# Altium PCB Thunderscope-E.PCBDOC (part 2 of 4)
Units mm, origin at the board's own origin, x right, y up, seen from the top; angles counter-clockwise.
Board outline 90.45 x 105.75 mm, 4 copper layers (L1, L2, L3, L4), stack 1.641 mm thick; 474 components, 268 nets, 1559 pads, 783 vias.
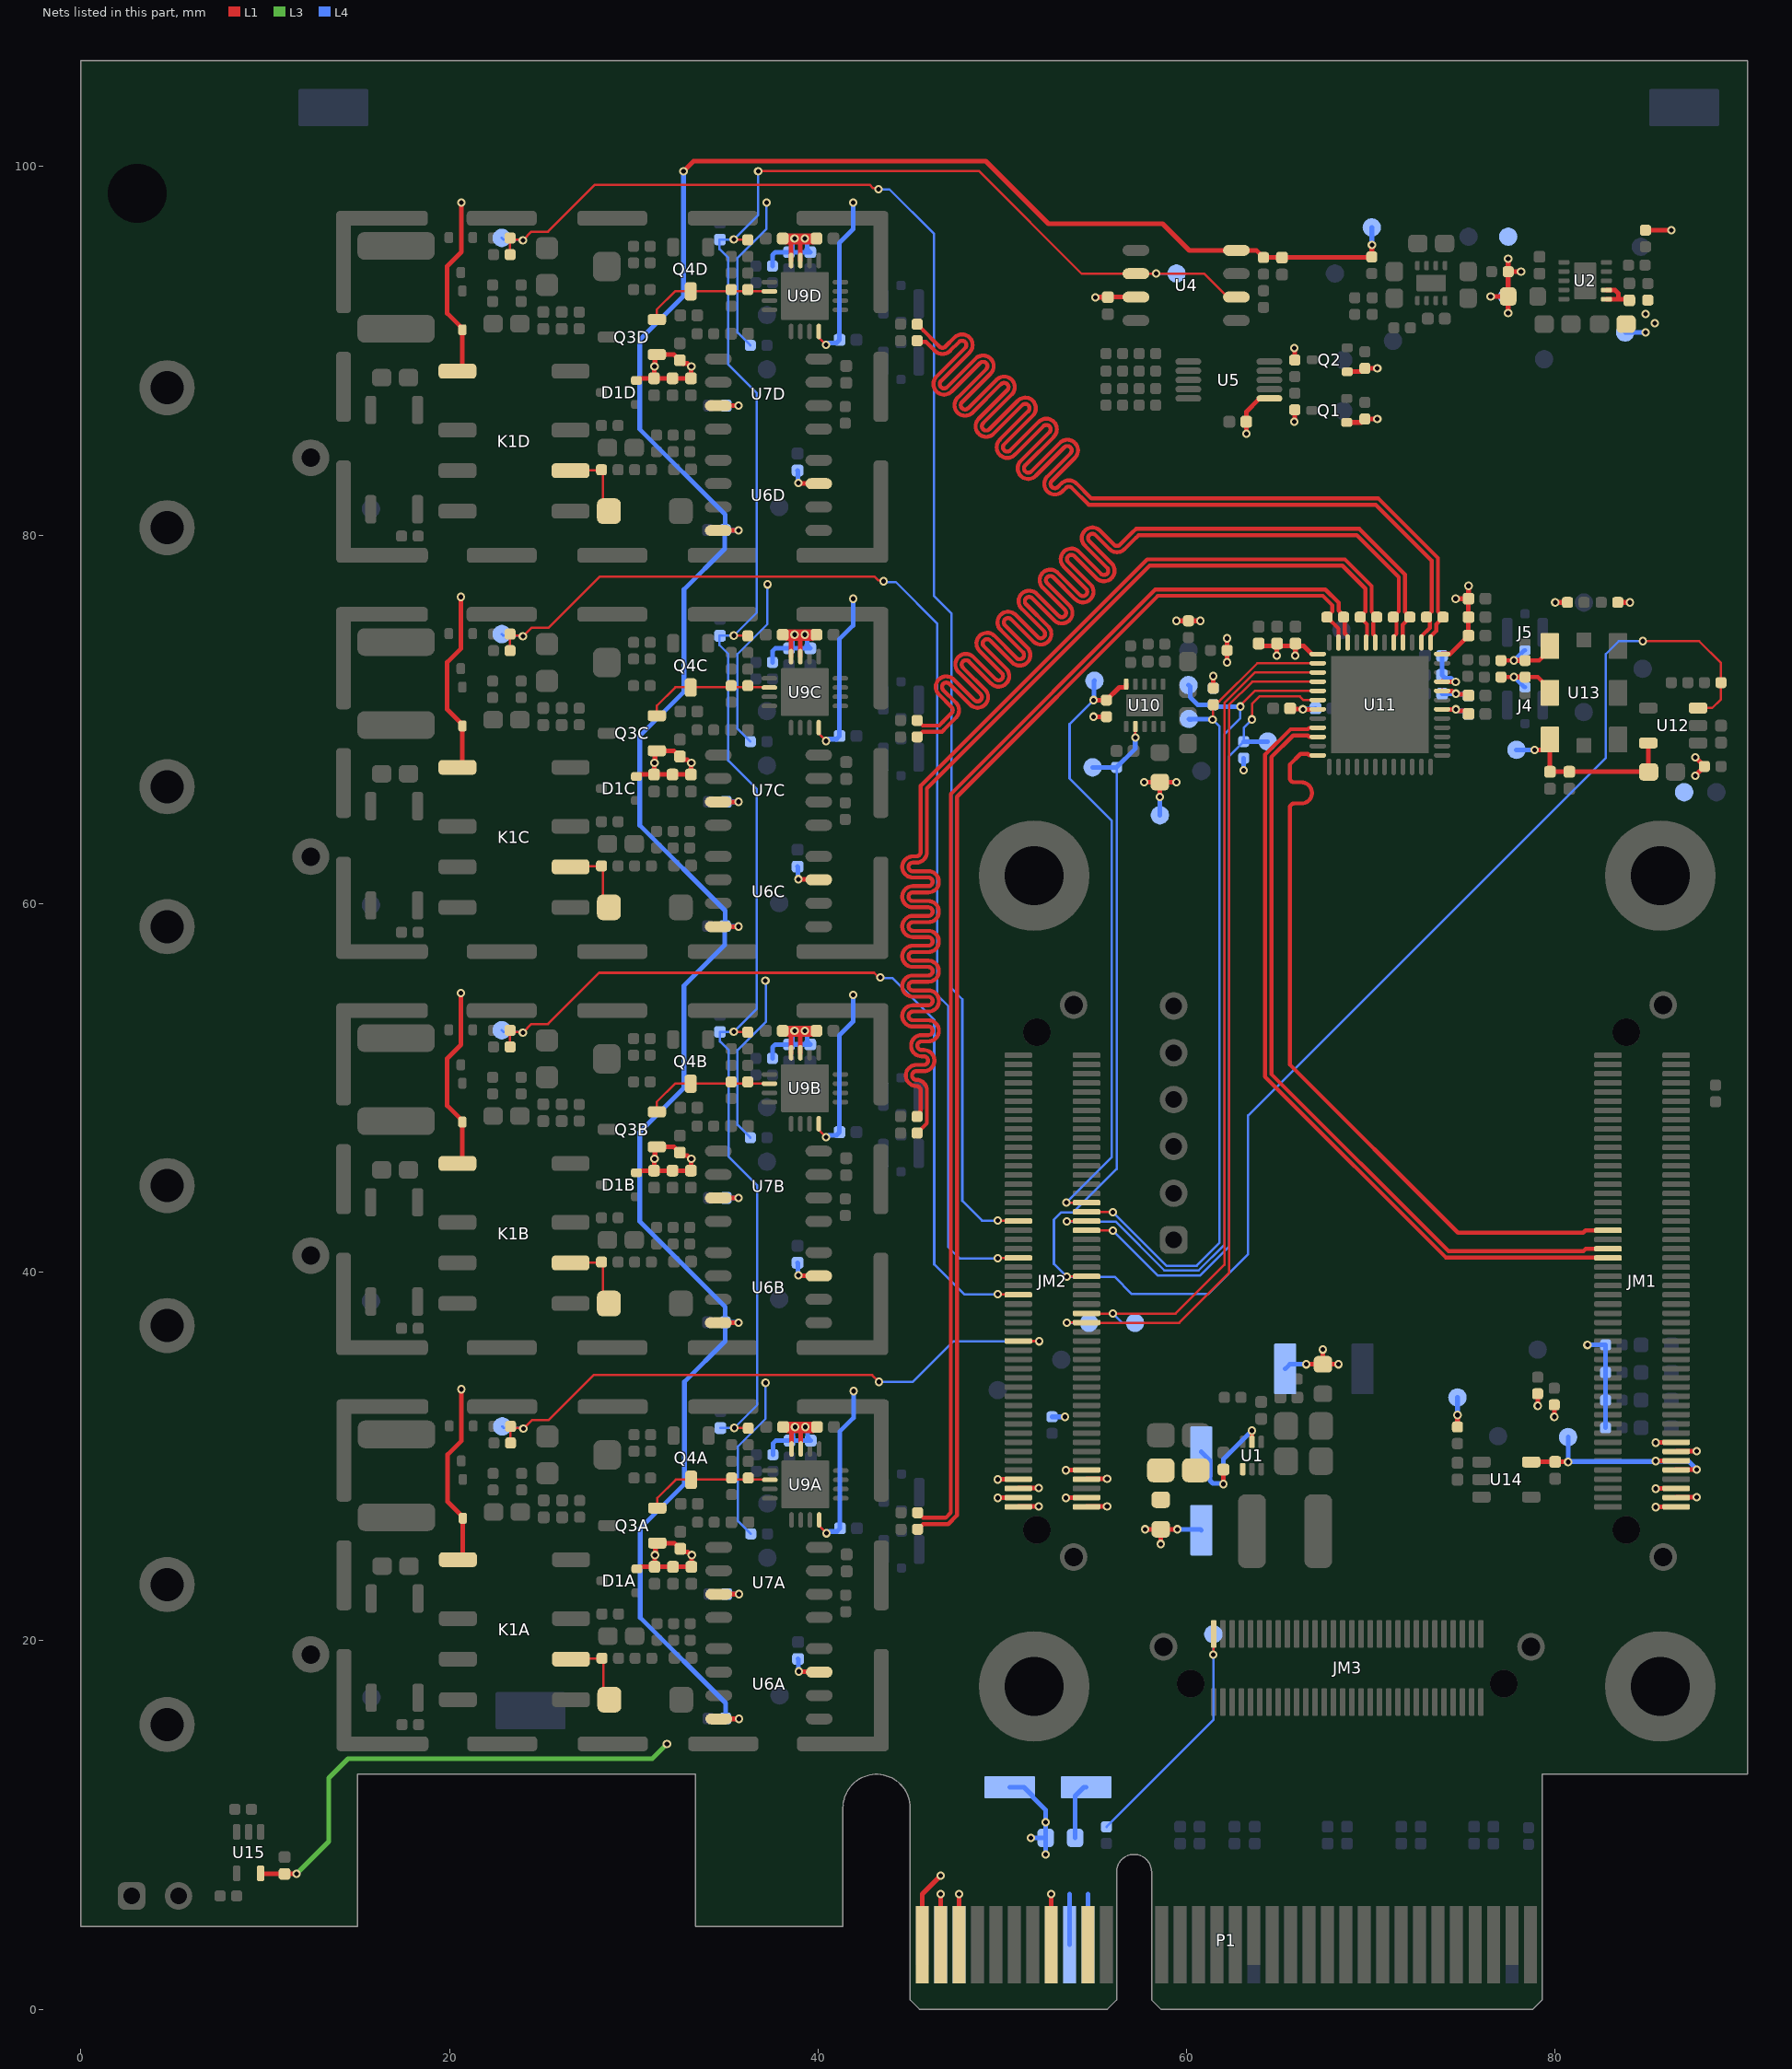
[diagram p4: the nets of this part, all layers, seen from the top]

## Footprints (in the part's own frame and the unit in brackets; to place one, negate y for a bottom-side part, rotate by r counter-clockwise, add the part's x,y. Pads: shape width x height; smd on the part's side, far side on the other; paste and mask are expansions set on the pad) (continued)
SAM_LSHM-150-XX.X-XX-DV-A-S [mm]
  rrect50% 0.3x1.5 smd: 1(12.25,-1.85) 2(12.25,1.85) 3(11.75,-1.85) 4(11.75,1.85) 5(11.25,-1.85) 6(11.25,1.85) 7(10.75,-1.85) 8(10.75,1.85) 9(10.25,-1.85) 10(10.25,1.85) 11(9.75,-1.85) 12(9.75,1.85) 13(9.25,-1.85) 14(9.25,1.85) 15(8.75,-1.85) 16(8.75,1.85) 17(8.25,-1.85) 18(8.25,1.85) 19(7.75,-1.85) 20(7.75,1.85) 21(7.25,-1.85) 22(7.25,1.85) 23(6.75,-1.85) 24(6.75,1.85) 25(6.25,-1.85) 26(6.25,1.85) 27(5.75,-1.85) 28(5.75,1.85) 29(5.25,-1.85) 30(5.25,1.85) 31(4.75,-1.85) 32(4.75,1.85) 33(4.25,-1.85) 34(4.25,1.85) 35(3.75,-1.85) 36(3.75,1.85) 37(3.25,-1.85) 38(3.25,1.85) 39(2.75,-1.85) 40(2.75,1.85) 41(2.25,-1.85) 42(2.25,1.85) 43(1.75,-1.85) 44(1.75,1.85) 45(1.25,-1.85) 46(1.25,1.85) 47(0.75,-1.85) 48(0.75,1.85) 49(0.25,-1.85) 50(0.25,1.85) 51(-0.25,-1.85) 52(-0.25,1.85) 53(-0.75,-1.85) 54(-0.75,1.85) 55(-1.25,-1.85) 56(-1.25,1.85) 57(-1.75,-1.85) 58(-1.75,1.85) 59(-2.25,-1.85) 60(-2.25,1.85) 61(-2.75,-1.85) 62(-2.75,1.85) 63(-3.25,-1.85) 64(-3.25,1.85) 65(-3.75,-1.85) 66(-3.75,1.85) 67(-4.25,-1.85) 68(-4.25,1.85) 69(-4.75,-1.85) 70(-4.75,1.85) 71(-5.25,-1.85) 72(-5.25,1.85) 73(-5.75,-1.85) 74(-5.75,1.85) 75(-6.25,-1.85) 76(-6.25,1.85) 77(-6.75,-1.85) 78(-6.75,1.85) 79(-7.25,-1.85) 80(-7.25,1.85) 81(-7.75,-1.85) 82(-7.75,1.85) 83(-8.25,-1.85) 84(-8.25,1.85) 85(-8.75,-1.85) 86(-8.75,1.85) 87(-9.25,-1.85) 88(-9.25,1.85) 89(-9.75,-1.85) 90(-9.75,1.85) 91(-10.25,-1.85) 92(-10.25,1.85) 93(-10.75,-1.85) 94(-10.75,1.85) 95(-11.25,-1.85) 96(-11.25,1.85) 97(-11.75,-1.85) 98(-11.75,1.85) 99(-12.25,-1.85) 100(-12.25,1.85)
  round 1.5 hole 1: 101(14.975,1.15) 102(-14.975,1.15)
  round 1.5 hole 1.5 unplated: ""(-13.5,-0.85) ""(13.5,-0.85)
  silkscreen extent -16.12,-3 16.12,3, body extent -15.4,-2.49 15.4,2.64, height 5.6
TE_2118728-2 [mm]
  rrect50% 0.8x5.55 smd: 1(-14.581,6.772) 1(-14.579,-6.772) 1(14.579,6.772) 1(14.581,-6.772)
  rrect50% 0.8x3.8 smd: 1(-14.579,0.003) 1(14.581,0.003)
  rrect50% 4.98x0.8 smd: 1(-12.491,9.147) 1(-12.489,-9.147) 1(12.489,9.147) 1(12.491,-9.147)
  rrect50% 3.8x0.8 smd: 1(-6.001,9.147) 1(-5.999,-9.147) 1(-0.001,9.147) 1(0.001,-9.147) 1(5.999,9.147) 1(6.001,-9.147)
  body extent -14.68,-9.25 14.68,9.25, height 7
TE_2334884-1 [mm]
  rrect50% 0.6x0.55 smd: 1(0,-0.975)
  rrect50% 0.58x1.58 smd: 2(-0.96,0) 2(0.96,0)
  rrect50% 0.5x0.5 smd: 2(0,1)
  silkscreen extent -1.05,-1.25 1,1, body extent -1,-1 1,1, height 0.6
TI_QFM8_SIA0008B [mm]
  rrect10% 1x1.4 smd paste-1.4: 1(-1.85,2.54) 2(-1.85,0) 3(-1.85,-2.54) 4(1.85,-2.54) 5(1.85,0) 6(1.85,2.54)
  rrect10% 0.8x0.8 smd: 7(0,2.865) 8(0,-2.865)
  silkscreen extent -3.1,-3.5 2.5,3.6, body extent -2.5,-3.5 2.5,3.5, height 1.15
TI_SOIC8_D0008A [mm] "SOIC, 8-Leads, Body 4.91x3.90mm, Pitch 1.27mm, Height 1.75mm, IPC Medium Density"
  oval 1.45x0.6 smd: 1(-2.725,1.905) 2(-2.725,0.635) 3(-2.725,-0.635) 4(-2.725,-1.905) 5(2.725,-1.905) 6(2.725,-0.635) 7(2.725,0.635) 8(2.725,1.905)
  silkscreen extent -2.85,-2.5 1.6,2.88, body extent -3,-2.5 3,2.5, height 1.75
TI_SOT563_DRL0006A [mm] "SOTFL, 6-Leads, Body 1.60x1.60mm, Pitch 0.50mm, IPC Medium Density"
  rrect50% 0.67x0.3 smd: 1(-0.74,0.5) 2(-0.74,0) 3(-0.74,-0.5) 4(0.74,-0.5) 5(0.74,0) 6(0.74,0.5)
  silkscreen extent -0.82,-0.85 0.65,1.2, body extent -0.8,-0.85 0.8,0.85, height 0.6
TI_WQFN_RGH0016A [mm] "QFN, 16-Leads, Body 4.00x4.00mm, Pitch 0.50mm, Thermal Pad 2.60x2.60mm, IPC Medium Density"
  oval 0.85x0.25 smd: 1(-1.925,0.75) 2(-1.925,0.25) 3(-1.925,-0.25) 4(-1.925,-0.75) 9(1.925,-0.75) 10(1.925,-0.25) 11(1.925,0.25) 12(1.925,0.75)
  oval 0.25x0.85 smd: 5(-0.75,-1.925) 6(-0.25,-1.925) 7(0.25,-1.925) 8(0.75,-1.925) 13(0.75,1.925) 14(0.25,1.925) 15(-0.25,1.925) 16(-0.75,1.925)
  rrect5% 2.6x2.6 smd paste-1.3: 17(0,0)
  silkscreen extent -2.97,-2.2 2.2,2.2, body extent -2.05,-2.05 2.05,2.05, height 0.8
TI_WSON8_DSG0008A [mm] "SON, 8-Leads, Body 2.00x2.00mm, Pitch 0.50mm, Thermal Pad 1.60x0.69mm, IPC Medium Density"
  rrect50% 0.5x0.25 smd: 1(-0.95,0.75) 2(-0.95,0.25) 3(-0.95,-0.25) 4(-0.95,-0.75) 5(0.95,-0.75) 6(0.95,-0.25) 7(0.95,0.25) 8(0.95,0.75)
  rrect10% 0.9x1.6 smd paste-0.9: 9(0,0)
  silkscreen extent -1.35,-1.2 1.05,1.25, body extent -1.05,-1.05 1.05,1.05, height 0.8
TI_WSON10_DSK0010A [mm] "SON, 10-Leads, Body 2.50x2.50mm, Pitch 0.50mm, Thermal Pad 2.00x1.09mm, IPC Medium Density"
  rrect50% 0.6x0.25 smd: 1(-1.15,1) 2(-1.15,0.5) 3(-1.15,0) 4(-1.15,-0.5) 5(-1.15,-1) 6(1.15,-1) 7(1.15,-0.5) 8(1.15,0) 9(1.15,0.5) 10(1.15,1)
  rrect10% 1.2x2 smd paste-2: 11(0,0)
  silkscreen extent -1.7,-1.4 1.3,1.45, body extent -1.3,-1.3 1.3,1.3, height 0.8
TY_IND_NRS5030 [mm] "Precision Wire Wound Inductor, 2-Leads, Body 4.90x4.90mm, IPC Medium Density"
  rrect50% 1.5x4 smd: 1(-1.8,0) 2(1.8,0)
  silkscreen extent -2.55,-2.55 2.55,2.55, body extent -2.55,-2.45 2.55,2.45, height 3.2

## Part data
C1 C5 C14 C16 C22A C22B C22C C22D C23A C23B C23C C23D C24A C24B C24C C24D C25A C25B C25C C25D C26A C26B C26C C26D C29A C29B C29C C29D C37A C37B C37C C37D C39A C39B C39C C39D C58 C62 C65 C66 C67 C68 C69 C70 C71 C72 C73 C74 C75 C76 C77: library part "CAP 100nF 16V X7R 0402", Package=0402, Supplier Part Number 1=490-4759-1-ND, Voltage Rating=16V, Supplier 1=Digi-Key
C2: library part "CAP 10pF 50V C0G 0402", Package=0402, Supplier Part Number 1=1276-1139-1-ND, Temperature Coefficient=C0G, Voltage Rating=50V, Supplier 1=Digi-Key
C3 C4 C6 C7: library part "CAP 22uF 25V X5R 0805", Package=0805, Supplier Part Number 1=490-10749-1-ND, Voltage Rating=25V, Supplier 1=Digi-Key
C8 C27A C27B C27C C27D C36A C36B C36C C36D C42 C43 C46 C47 C50 C54 C56: library part "CAP 10nF 50V X7R 0402", Package=0402, Supplier Part Number 1=490-4762-1-ND, Voltage Rating=50V, Supplier 1=Digi-Key
C9 C10 C11 C12 C15 C51 C52 C60: library part "CAP 10uF 10V X5R 0603", Package=0402, Supplier Part Number 1=490-10474-1-ND, Voltage Rating=10V, Supplier 1=Digi-Key
C13 C18A C18B C18C C18D C19A C19B C19C C19D C20A C20B C20C C20D C21A C21B C21C C21D C38A C38B C38C C38D C40 C41 C48 C49 C53 C57 C59 C61 C63 C64: library part "CAP 1uF 25V X5R 0402", Package=0402, Supplier Part Number 1=490-10017-1-ND, Voltage Rating=25V, Supplier 1=Digi-Key
C17A C17B C17C C17D C30A C30B C30C C30D: library part "CAP 22nF 100V X7R 0603", Package=0603, Supplier Part Number 1=490-4782-1-ND, Voltage Rating=100V, Supplier 1=Digi-Key
C28A C28B C28C C28D C33A C33B C33C C33D C35A C35B C35C C35D C44 C45 C55: library part "CAP 1nF 50V C0G 0402", Package=0402, Supplier Part Number 1=490-6189-1-ND, Voltage Rating=50V, Supplier 1=Digi-Key
C31A C31B C31C C31D: library part "CAP TRIMMER 5.5-20PF 500V", Supplier Part Number 1=2447-SGC3S200NMCT-ND, Supplier 1=Digikey
C32A C32B C32C C32D: library part "CAP 15pF 200V C0G 0603", Package=0603, Supplier Part Number 1=478-10254-1-ND, Voltage Rating=200V, Supplier 1=Digi-Key
C34A C34B C34C C34D: library part "CAP 470pF 50V C0G 0402", Package=0402, Supplier Part Number 1=490-8207-1-ND, Temperature Coefficient=C0G, Voltage Rating=50V, Supplier 1=Digi-Key
D1A D1B D1C D1D: library part "DIODE ARRAY BAV99W", Supplier Part Number 1=BAV99W-FDICT-ND, Supplier 1=Digi-Key
D2A D2B D2C D2D: library part "DIODE 1N4148", Max Current=150mA, Max Reverse Voltage=75V, Supplier Part Number 1=1N4148WS-FDICT-ND, Supplier 1=Digi-Key
D3 D5: library part "LED GREEN 0603 APT1608", Supplier Part Number 1=754-1934-1-ND, Supplier 1=Digi-Key
D4 D6: library part "LED RED 0603 APT1608", Supplier Part Number 1=754-1930-1-ND, Supplier 1=Digi-Key
FB1 FB2: library part "FERRITE BEAD 120 OHM 0402", Supplier Part Number 1=490-9656-1-ND, Supplier 1=Digi-Key
GDT1A GDT1B GDT1C GDT1D: library part "GDT 90V", Supplier Part Number 1=2051-09-SM-RPLFCT-ND, Supplier 1=Digi-Key
J1A J1B J1C J1D J2A J2B J2C J2D J4 J5: library part "UFL Jack SMD", Supplier Part Number 1=A145155CT-ND, Supplier 1=Digi-Key
J3A J3B J3C J3D: library part "BNC JACK R/A", Supplier Part Number 1=WM5524-ND, Supplier 1=Digi-Key
J6: library part "CONN 2.54mm 6 Pin TH RA", Supplier Part Number 1=732-5339-ND, Supplier 1=Digi-Key
J7: library part "CONN 2.54mm 2 Pin TH RA", Supplier Part Number 1=SAM12296-ND, Supplier 1=Digi-Key
JM1 JM2: library part "CONN LSHM-150-04.0-L-DV-A-S-K-TR", Supplier Part Number 1=SAM9033CT-ND, Supplier 1=Digi-Key
JM3: library part "CONN LSHM-130-04.0-L-DV-A-S-K-TR", Supplier Part Number 1=SAM9034CT-ND, Supplier 1=Digi-Key
K1A K1B K1C K1D: library part "RELAY DPDT-NO FTR-B3SA"
L1: library part "IND 4.7uH 2.6A 35 MOHM SMD", Supplier Part Number 1=587-3461-1-ND, Supplier 1=Digi-Key
MH1 MH2 MH3 MH4: library part "MH M3"
P1: library part CMP-0001-00031-2, "Golden finger, PCIeX4, Dual, Opposite, Pitch 1mm, 64-Position", ClassName="Edge Connector", Datasheet Version="rev2.0, Apr-2007", Mating Connector=Molex-87715-9106, Package Reference=PCIeX4-GF-2D-1000-1K-O64, Publisher=Altium
Q1 Q2 Q5A Q5B Q5C Q5D: library part "NMOS DMN62D0UW", Max Power=320mW, Supplier Part Number 1=DMN62D0UW-7DICT-ND, Id=340mA, Supplier 1=Digi-Key, Vdss=60V
Q3A Q3B Q3C Q3D: library part "NJFET CPH3910", Supplier Part Number 1=CPH3910-TL-EOSCT-ND, Supplier 1=Digi-Key
Q4A Q4B Q4C Q4D: library part "NPN MMBT3904", Supplier Part Number 1=MMBT3904TPMSCT-ND, Supplier 1=Digi-Key
R1 R4 R56 R86 R87: library part "RES 0.01 OHM 1% 1/4W 0603", Package=0603, Power Rating=0.25W, Supplier Part Number 1=408-1404-1-ND, Tolerance=1%, Supplier 1=Digi-Key
R2: library part "RES 57.6K OHM 1% 1/16W 0402", Package=0402, Power Rating=0.0625W, Supplier Part Number 1=YAG3190CT-ND, Tolerance=1%, Supplier 1=Digi-Key
R3 R8 R13 R14 R17 R24 R25 R26 R27 R49A R49B R49C R49D R50A R50B R50C R50D R52A R52B R52C R52D R53A R53B R53C R53D R58 R60 R61 R62 R63 R67 R72 R76 R77 R80 R81 R82 R83 R84: library part "RES 10K OHM 1% 1/10W 0402", Package=0402, Power Rating=0.1W, Supplier Part Number 1=P10.0KLCT-ND, Tolerance=1%, Supplier 1=Digi-Key
R5 R6 R66 R78: library part "RES 0.1 OHM 1% 1/6W 0402", Package=0402, Power Rating=0.16W, Supplier Part Number 1=P.10AKCT-ND, Tolerance=1%, Supplier 1=Digi-Key
R7: library part "RES 5.23K OHM 1% 1/16W 0402", Package=0402, Power Rating=0.0625W, Supplier Part Number 1=YAG3195CT-ND, Tolerance=1%, Supplier 1=Digi-Key
R9 R45A R45B R45C R45D: library part "RES 309K OHM 1% 1/16W 0402", Package=0402, Power Rating=0.0625W, Supplier Part Number 1=YAG3108CT-ND, Tolerance=1%, Supplier 1=Digi-Key
R10 R11 R35A R35B R35C R35D R51A R51B R51C R51D R59 R88 R89 R90: library part "RES 1K OHM 1% 1/10W 0402", Package=0402, Power Rating=0.1W, Supplier Part Number 1=P1.00KLCT-ND, Tolerance=1%, Supplier 1=Digi-Key
R12 R43A R43B R43C R43D: library part "RES 100K OHM 1% 1/10W 0402", Package=0402, Power Rating=0.1W, Supplier Part Number 1=P100KLCT-ND, Tolerance=1%, Supplier 1=Digi-Key
R15 R16 R18 R19 R20 R21 R22 R23 R37A R37B R37C R37D R38A R38B R38C R38D R54A R54B R54C R54D R55A R55B R55C R55D R64 R65 R68 R69 R71: library part "RES 100 OHM 1% 1/10W 0402", Package=0402, Power Rating=0.1W, Supplier Part Number 1=P100LCT-ND, Tolerance=1%, Supplier 1=Digi-Key
R28A R28B R28C R28D R29A R29B R29C R29D R46 R70 R73 R85: library part "RES 0 OHM 1/16W 0402", Package=0402, Power Rating=0.0625W, Supplier Part Number 1=311-0.0JRCT-ND, Supplier 1=Digi-Key
R30A R30B R30C R30D R79: library part "RES 49.9 OHM 1% 1/10W 0402", Package=0402, Power Rating=0.1W, Supplier Part Number 1=P49.9LCT-ND, Tolerance=1%, Supplier 1=Digi-Key
R31A R31B R31C R31D R36A R36B R36C R36D R40A R40B R40C R40D R41A R41B R41C R41D: library part "RES 909K OHM 1% 1/16W 0402", Package=0402, Power Rating=0.0625W, Supplier Part Number 1=YAG2377CT-ND, Tolerance=1%, Supplier 1=Digi-Key
R32A R32B R32C R32D R33A R33B R33C R33D R42A R42B R42C R42D: library part "RES 1M OHM 1% 1/10W 0402", Package=0402, Power Rating=0.1W, Supplier Part Number 1=P1.00MLCT-ND, Tolerance=1%, Supplier 1=Digi-Key
R34A R34B R34C R34D R39A R39B R39C R39D: library part "RES 90.9K OHM 1% 1/16W 0402", Package=0402, Power Rating=0.0625W, Supplier Part Number 1=311-90.9KLRCT-ND, Tolerance=1%, Supplier 1=Digi-Key
R44A R44B R44C R44D: library part "TRIMMER 5K OHM 0.1W J LEAD TOP", Power Rating=0.1W, Supplier Part Number 1=TC33X-502ECT-ND, Tolerance=1%, Supplier 1=Digi-Key
R47A R47B R47C R47D: library part "RES 681K OHM 1% 1/16W 0402", Package=0402, Power Rating=0.0625W, Supplier Part Number 1=YAG3212CT-ND, Tolerance=1%, Supplier 1=Digi-Key
R48A R48B R48C R48D: library part "RES DNP 0402", Package=0402, Power Rating=0.0625W, Tolerance=1%
R57: library part "RES 1.24K OHM 1% 1/16W 0402", Package=0402, Power Rating=0.0625W, Supplier Part Number 1=311-1.24KLRCT-ND, Tolerance=1%, Supplier 1=Digi-Key
R74 R75: library part "RES 150 OHM 1% 1/16W 0402", Package=0402, Power Rating=0.0625W, Supplier Part Number 1=311-150LRCT-ND, Tolerance=1%, Supplier 1=Digi-Key
SHLD1A SHLD1B SHLD1C SHLD1D: library part "SHIELD 2118728-2", Supplier Part Number 1=A126158CT-ND, Supplier 1=Digi-Key
TP1 TP2 TP47 TP48 TP50 TP51: library part "TP KEYSTONE 5015", Supplier Part Number 1=36-5015CT-ND, Supplier 1=Digi-Key
TP3 TP18 TP49: library part "TP KEYSTONE 5019", Supplier Part Number 1=36-5019CT-ND, Supplier 1=Digi-Key
TP4 TP5 TP6 TP7 TP8 TP9 TP10 TP11 TP12 TP13 TP14 TP15 TP16 TP17 TP19 TP20A TP20B TP20C TP20D TP21A TP21B TP21C TP21D TP22A TP22B TP22C TP22D TP23A TP23B TP23C TP23D TP24A TP24B TP24C TP24D TP25 TP26 TP27 TP28 TP29 TP30 TP31 TP32 TP33 TP34 TP35 TP36 TP37 TP38 TP39 TP41 TP42 TP43 TP44 TP45 TP46: library part "TP PCB 1mm"
U1: library part "IC BUCK TPS562202", Supplier Part Number 1=296-TPS562202DRLRCT-ND, Supplier 1=Digi-Key
U2 U10: library part "IC LDO TPS7A9101", Supplier Part Number 1=296-45298-1-ND, Supplier 1=Digi-Key
U3: library part "IC CPUMP LM27761", Supplier Part Number 1=296-44379-1-ND, Supplier 1=Digi-Key
U4 U6A U6B U6C U6D U7A U7B U7C U7D: library part "IC OPAMP OP07CDR", Supplier Part Number 1=296-14626-1-ND, Supplier 1=Digi-Key
U5: library part "IC DAC QUAD MCP4728", Supplier Part Number 1=MCP4728A1T-E/UNCT-ND, Supplier 1=Digi-Key
U8A U8B U8C U8D: library part "SSR CPC1017NTR", Supplier Part Number 1=CLA233CT-ND, Supplier 1=Digi-Key
U9A U9B U9C U9D: library part "IC PGA LMH6518", Supplier Part Number 1=LMH6518SQE/NOPBCT-ND, Supplier 1=Digi-Key
U11: library part "IC ADC HMCAD1511", Supplier Part Number 1=1127-1648-ND, Supplier 1=Digi-Key
U12: library part "IC LDO TPS7A2033", Supplier Part Number 1=296-TPS7A2033PDBVRCT-ND, Supplier 1=Digi-Key
U13: library part "IC PROG OSC LMK61E2-SIAT", Supplier Part Number 1=296-43212-1-ND, Supplier 1=Digi-Key
U14: library part "IC LDO TPS7A2025", Supplier Part Number 1=296-TPS7A2025PDBVRCT-ND, Supplier 1=Digi-Key
U15: library part "IC BUFFER SN74LVC1G17", Supplier Part Number 1=296-11934-1-ND, Supplier 1=Digi-Key

## Free pads (board coordinates)
  round 2.88 hole 3.18 unplated: MH2(3.05,98.55)

## Via types
v1: diameter 0.457, hole 0.254, L1 to L4, tented both sides, 783 vias

## Nets (pads, with @x,y where several pads share a name; then routed paths per layer and width w, separated by ;. In a path a pad name is that pad's centre, name@x,y a point inside that pad or via, vN(x,y) a via of type N, cw(c..) or ccw(c..) an arc to the next point about the centre after c; other vN are vias at no path point)
3.3Vaux: P1.B10
+1V8A: C40.2 C41.2 C42.2 C43.2 C44.2 C45.2 C53.2 C54.2 C55.2 FB1.2 U11.1 U11.32 U11.36 | length 14.1
  L1 w0.254: v1(59.45,75.35) FB1.2@60.1,75.35 v1(60.75,75.35) ; C41.2@63.907,74.117 64.034,73.99 64.78,73.99 C43.2@64.907,74.117 ; v1(64.9,73.469) 64.904,73.473 64.904,74.113 C43.2@64.907,74.117 ; v1(65.9,73.469) 65.904,73.473 C45.2@65.904,73.99 ; C45.2@65.904,74.113 66.027,73.99 66.357,73.99 U11.1@66.795,73.552 ; C45.2@65.907,74.117 65.78,73.99 65.034,73.99 C43.2@64.907,74.117 ; U11.32@73.868,71.55 73.87,71.548 74.404,71.548 74.552,71.4 v1(74.607,71.4) 74.646,71.361 75.236,71.361 C55.2@75.297,71.3 ; U11.36@73.868,73.55 74.297,73.55 C44.2@75.297,74.55 C42.2@75.297,75.55 C40.2@75.297,76.55 ; v1(74.6,76.55) C40.2@75.297,76.55 ; v1(75.3,77.25) 75.299,77.249 C40.2@75.297,76.55 C40.2@75.297,76.55
  L4 w0.254: C53.2@73.867,71.4 v1(74.607,71.4) 74.646,71.361 75.236,71.361 C54.2@75.297,71.3
+1V8D: C46.2 C47.2 C48.2 C49.2 FB2.2 U11.7 U11.30 | length 5.9
  L1 w0.254: v1(62.2,73.1) FB2.2@62.2,73.75 v1(62.2,74.4) ; C46.2@65.617,70.6 65.661,70.556 66.301,70.556 v1(66.307,70.55) U11.7@67.118,70.55 ; U11.30@73.868,70.55 v1(74.607,70.55) 74.662,70.55 74.74,70.473 75.125,70.473 C47.2@75.297,70.3
  L4 w0.254: v1(66.307,70.55) 66.332,70.575 66.972,70.575 C48.2@66.997,70.6 ; v1(74.607,70.55) 74.662,70.55 74.74,70.473 75.125,70.473 C49.2@75.297,70.3
+2V5: C64.2 JM1.10 JM1.12 TP44.1 U14.5 | length 12.8
  L1 w0.254: U14.5@78.7,29.7 78.705,29.705 79.995,29.705 C64.2@80,29.71 80.005,29.705 80.695,29.705 v1(80.7,29.7) ; v1(85.45,29.75) 85.46,29.76 86.557,29.76 JM1.12@86.567,29.771 ; JM1.10@86.544,29.294 JM1.10@86.567,29.271 ; JM1.10@86.577,29.281 v1@87.674,29.281
  L4 w0.254: TP44.1@80.7,31.05 v1(80.7,29.7) 80.725,29.725 85.425,29.725 v1(85.45,29.75) 87.225,29.75 v1(87.684,29.291)
+3V3: C39A.2 C39B.2 C39C.2 C39D.2 C56.2 C57.2 D2A.1 D2B.1 D2C.1 D2D.1 JM1.2 JM1.4 JM1.6 JM1.14 JM1.16 JM2.1 JM2.2 JM2.3 JM2.4 JM2.5 JM2.7 JM2.8 JM2.10 K1A.1 K1B.1 K1C.1 K1D.1 Q1.2 Q2.2 R10.2 R13.2 R24.2 R25.2 R53A.2 R53B.2 R53C.2 R53D.2 R56.1 R60.2 R61.2 R62.2 R63.2 R76.2 R77.2 R78.1 R80.2 R81.2 R82.2 R87.2 R88.2 R89.2 R90.2 TP27.1 TP42.1 TP51.1 U9A.12 U9B.12 U9C.12 U9D.12 U11.33 | length 158.8
  L1 w0.127: U9B.12@40.038,48.056 40.038,47.731 v1(40.438,47.331) ; U9C.12@40.038,69.555 40.038,69.23 v1(40.438,68.83) ; U9D.12@40.038,91.055 40.038,90.73 v1(40.438,90.33) ; U9A.12@40.063,26.555 40.063,26.23 v1(40.463,25.83)
  L1 w0.254: K1B.1@20.43,45.901 20.433,45.901 20.7,46.169 D2B.1@20.7,48.146 20.7,48.216 19.875,49.041 19.875,51.601 20.625,52.351 v1(20.625,55.151) ; K1C.1@20.43,67.4 20.433,67.4 20.7,67.667 D2C.1@20.7,69.645 20.7,69.715 19.875,70.54 19.875,73.1 20.625,73.85 v1(20.625,76.65) ; K1D.1@20.43,88.9 20.433,88.9 20.7,89.167 D2D.1@20.7,91.145 20.7,91.215 19.875,92.04 19.875,94.6 20.65,95.375 v1(20.65,98.05) ; K1A.1@20.455,24.4 20.458,24.4 20.725,24.667 D2A.1@20.725,26.645 20.725,26.715 19.9,27.54 19.9,30.1 20.65,30.85 v1(20.65,33.65) ; v1@49.76,27.76 JM2.3@50.857,27.76 ; v1@49.76,28.76 JM2.7@50.857,28.76 ; JM2.1@50.877,27.281 v1@51.974,27.281 ; JM2.5@50.877,28.281 v1@51.974,28.281 ; v1@53.46,27.76 JM2.4@54.557,27.76 ; v1@53.46,29.26 JM2.10@54.557,29.26 ; JM2.2@54.577,27.281 v1@55.674,27.281 ; JM2.8@54.577,28.781 v1@55.674,28.781 ; v1(54.95,70.15) R63.2@55.65,70.15 ; v1(57.7,66.6) R56.1@58.55,66.6 ; v1(58.55,65.8) R56.1@58.55,66.6 ; v1(59.45,66.6) R56.1@58.55,66.6 ; R60.2@61.45,71.7 v1(61.45,72.35) ; Q1.2@68.69,86.12 69.478,86.12 69.663,86.305 R24.2@69.675,86.305 69.677,86.303 70.347,86.303 v1(70.35,86.3) ; Q2.2@68.715,88.87 69.478,88.87 69.663,89.055 R25.2@69.675,89.055 69.677,89.053 70.347,89.053 v1(70.35,89.05) ; U11.33@73.868,72.05 73.87,72.048 74.584,72.048 v1(74.602,72.031) ; R78.1@74.7,31.6 v1(74.7,32.25) ; v1(79.05,32.75) R81.2@79.05,33.4 ; v1(79.95,32.15) R82.2@79.95,32.8 ; v1(80,76.35) R77.2@80.668,76.35 ; R76.2@83.4,76.35 v1(84.05,76.35) ; R13.2@84.9,96.55 v1(86.3,96.55) ; v1@85.46,27.26 JM1.2@86.557,27.26 ; v1@85.46,28.26 JM1.6@86.557,28.26 ; v1@85.46,30.76 JM1.16@86.557,30.76 ; JM1.4@86.577,27.781 v1@87.674,27.781 ; JM1.14@86.577,30.281 v1@87.674,30.281
  L4 w0.127: R53B.2@36.325,47.301 35.625,48.001 35.625,52.051 37.175,53.601 37.175,55.796 v1(37.143,55.828) ; R53C.2@36.325,68.8 35.625,69.5 35.625,73.55 37.25,75.175 v1(37.25,77.327) ; R53D.2@36.325,90.3 35.625,91 35.625,95.05 37.2,96.625 v1(37.2,98.05) ; R53A.2@36.35,25.8 35.65,26.5 35.65,30.55 37.15,32.05 v1(37.15,34)
  L4 w0.254: v1(40.438,47.331) 40.493,47.331 40.59,47.429 40.992,47.429 C39B.2@41.165,47.601 41.15,47.616 41.15,52.851 41.9,53.601 v1(41.9,55.051) ; v1(40.438,68.83) 40.493,68.83 40.59,68.927 40.992,68.927 C39C.2@41.165,69.1 41.15,69.115 41.15,74.35 41.9,75.1 v1(41.9,76.55) ; v1(40.438,90.33) 40.493,90.33 40.59,90.427 40.992,90.427 C39D.2@41.165,90.6 41.15,90.615 41.15,95.85 41.9,96.6 v1(41.9,98.05) ; v1(40.463,25.83) 40.518,25.83 40.615,25.927 41.017,25.927 C39A.2@41.19,26.1 41.175,26.115 41.175,31.35 41.925,32.1 v1(41.925,33.55) ; TP51.1@50.4,12.05 51.175,12.05 51.648,11.577 51.648,11.517 52.35,10.815 R87.2@52.35,9.3 ; v1(51.55,9.3) R87.2@52.35,9.3 ; v1(52.35,8.4) R87.2@52.35,9.3 ; R80.2@52.7,32.15 v1(53.4,32.15) ; TP27.1@58.55,64.8 v1(58.55,65.8) ; R61.2@61.45,71.7 v1(61.45,72.35) ; v1(63.1,67.25) R62.2@63.1,67.9 ; C57.2@73.86,73.45 73.857,73.447 73.857,72.414 C56.2@73.853,72.411 74.026,72.238 74.339,72.238 74.547,72.031 v1(74.602,72.031) ; v1(74.7,32.25) TP42.1@74.7,33.2 ; v1(81.75,36.05) 81.753,36.053 R10.2@82.739,36.053 R88.2@82.739,34.553 R89.2@82.739,33.053 R90.2@82.739,31.553
  other v1: 52.35,10.15 85.45,27.25 51.984,27.291 55.684,27.291 49.75,27.75 53.45,27.75 87.684,27.791 85.45,28.25 51.984,28.291 49.75,28.75 55.684,28.791 53.45,29.25 87.684,30.291 85.45,30.75
+3V3_PCIe: P1.A9 P1.A10 P1.B8 R87.1 TP50.1 | length 11.3
  L1 w0.254: P1.B8@52.65,3.5 v1(52.65,6.25)